# Altium PCB Minion_Rev2.PcbDoc (part 11 of 11)
Units mil, origin at the board's own origin, x right, y up, seen from the top; angles counter-clockwise.
Board outline 4724.41 x 6929.13 mil, 4 copper layers (L1, L2, L3, L4), stack 62.087 mil thick; 873 components, 147 nets, 5651 pads, 5666 vias.
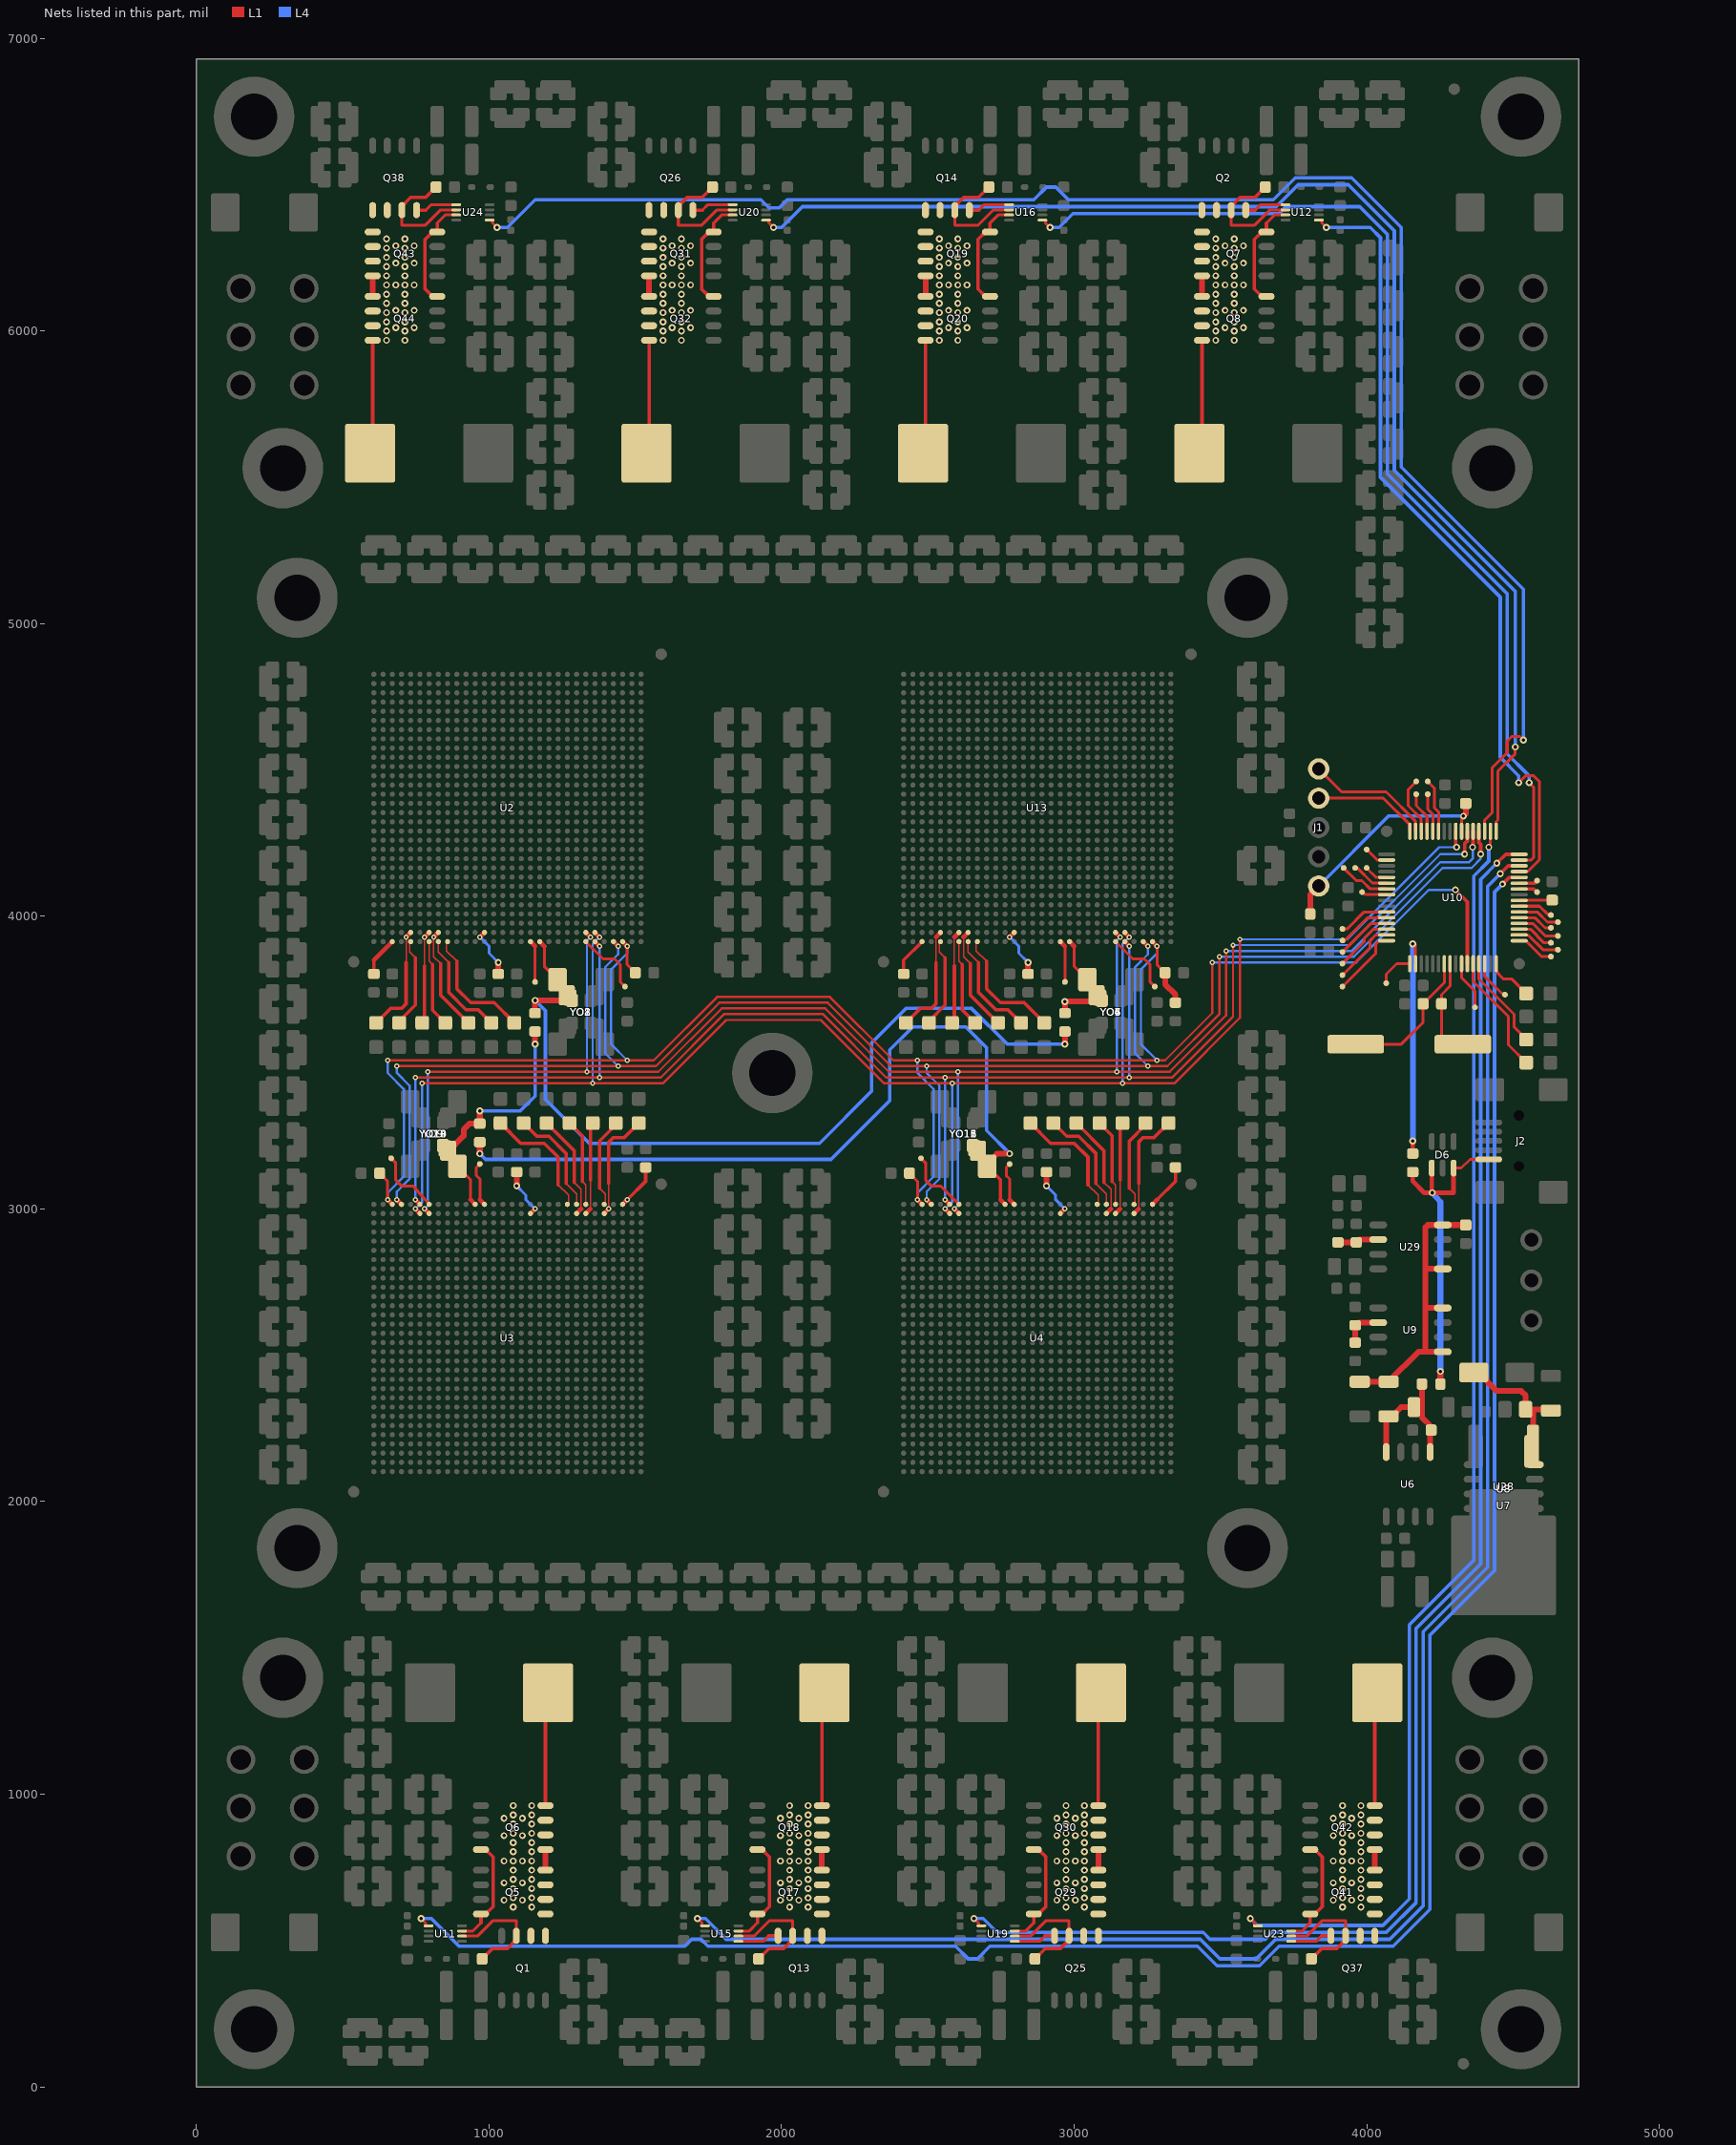
[diagram p13: the nets of this part, all layers, seen from the top]

## Via types
v1: diameter 17.72/17.72/17.72/17.72 (per signal layer), hole 7.87, L1 to L4, 3578 vias
v2: diameter 23.62/23.62/23.62/23.62 (per signal layer), hole 11.81, L1 to L4, 2088 vias

## Nets (pads, with @x,y where several pads share a name; then routed paths per layer and width w, separated by ;. In a path a pad name is that pad's centre, name@x,y a point inside that pad or via, vN(x,y) a via of type N, cw(c..) or ccw(c..) an arc to the next point about the centre after c; other vN are vias at no path point) (continued)
HO2: Q13.4 U15.1 | length 143.4
  L1 w9.84: U15.1@1852.36,497.05 1937.01,497.05 1955.71,515.75
  L1 w11.81: 1955.71,515.75 Q13.4@1988.01,515.75
HO3: Q25.4 U19.1 | length 143.4
  L1 w9.84: U19.1@2797.24,497.05 2881.89,497.05 2900.59,515.75
  L1 w11.81: 2900.59,515.75 Q25.4@2932.89,515.75
HO4: Q37.4 U23.1 | length 143.4
  L1 w9.84: U23.1@3742.13,497.05 3826.77,497.05 3845.47,515.75
  L1 w11.81: 3845.47,515.75 Q37.4@3877.77,515.75
HO5: Q2.4 U12.1 | length 143.4
  L1 w9.84: 3619.09,6413.39 3637.8,6432.09 U12.1@3722.44,6432.09
  L1 w11.81: Q2.4@3586.79,6413.39 3619.09,6413.39
HO6: Q14.4 U16.1 | length 143.4
  L1 w9.84: 2674.21,6413.39 2692.91,6432.09 U16.1@2777.56,6432.09
  L1 w11.81: Q14.4@2641.91,6413.39 2674.21,6413.39
HO7: Q26.4 U20.1 | length 143.4
  L1 w9.84: 1729.33,6413.39 1748.03,6432.09 U20.1@1832.68,6432.09
  L1 w11.81: Q26.4@1697.03,6413.39 1729.33,6413.39
HO8: Q38.4 U24.1 | length 143.4
  L1 w9.84: 784.45,6413.39 803.15,6432.09 U24.1@887.8,6432.09
  L1 w11.81: Q38.4@752.15,6413.39 784.45,6413.39
INT_OUT1: TP1.1 U13.AK24 | length 232.1
  L1 w9.84: U13.AK24@3141.73,3913.39 3200.79,3854.33 3240.16,3854.33 3259.84,3834.65 3259.84,3775.59 TP1.1@3275.59,3759.84
INT_OUT2: TP3.1 U2.AK24 | length 232.1
  L1 w9.84: U2.AK24@1330.71,3913.39 1389.76,3854.33 1429.13,3854.33 1448.82,3834.65 1448.82,3775.59 TP3.1@1464.57,3759.84
INT_OUT3: TP4.1 U3.AK24 | length 232.2
  L1 w9.84: TP4.1@665.35,3173.23 681.1,3157.48 681.1,3098.43 700.79,3078.74 740.16,3078.74 U3.AK24@795.28,3015.75
INT_OUT4: TP8.1 U4.AK24 | length 229.7
  L1 w9.84: TP8.1@2476.38,3173.23 2492.13,3157.48 2492.13,3098.43 2511.81,3078.74 2543.31,3078.74 U4.AK24@2606.3,3015.75
LDO3.3V-5.0V: C1.1 R14.1 R15.1 U9.5 U9.8 U29.5 U29.8 | length 1010.6
  L1 w19.68: R14.1@3976.38,2409.45 R15.1@4074.8,2409.45 4176.99,2511.63 4200.79,2511.63 ; U9.5@4259.84,2511.63 4200.79,2511.63 ; U9.8@4259.84,2661.61 4200.79,2661.61 ; U29.5@4259.84,2795.1 4200.79,2795.1 ; C1.1@4338.58,2944.88 4338.39,2945.08 U29.8@4259.84,2945.08 4208.66,2945.08 4200.79,2937.2 4200.79,2795.1 ; 4200.79,2511.63 4200.79,2661.61 ; 4200.79,2661.61 4200.79,2795.1
LDO5.0V: C15.1 R15.2 R33.1 R34.2 U6.5 U6.8 | length 504.2
  L1 w19.68: U6.8@4066.73,2169.29 4066.73,2291.34 R15.2@4074.8,2291.34 4086.61,2291.34 4118.11,2322.83 R34.2@4161.42,2322.83 4188.98,2322.83 ; R33.1@4188.98,2401.57 4188.98,2322.83 ; U6.5@4216.72,2169.29 4216.72,2240.34 C15.1@4220.47,2244.09 4220.47,2255.91 4188.98,2287.4 4188.98,2322.83
LED_BUSY1: D12.2 U13.AK8 | length 376.8
  L1 w4.33: U13.AK8@2637.8,3913.39 2637.8,3877.95 2673.23,3842.52
  L1 w11.81: 2673.23,3842.52 2673.23,3740.16 2732.28,3681.1 2773.62,3681.1 D12.2@2818.9,3635.83
LED_BUSY2: D21.2 U2.AK8 | length 376.8
  L1 w4.33: U2.AK8@826.77,3913.39 826.77,3877.95 862.2,3842.52
  L1 w11.81: 862.2,3842.52 862.2,3740.16 921.26,3681.1 962.6,3681.1 D21.2@1007.87,3635.83
LED_BUSY3: D34.2 U3.AK8 | length 376.8
  L1 w4.33: 1263.78,3086.61 1299.21,3051.18 U3.AK8@1299.21,3015.75
  L1 w9.84: D34.2@1118.11,3293.31 D34.2@1119.09,3292.32
  L1 w11.81: D34.2@1119.09,3292.32 1163.39,3248.03 1204.72,3248.03 1263.78,3188.98 1263.78,3086.61
LED_BUSY4: D41.2 U4.AK8 | length 376.8
  L1 w4.33: 3074.8,3086.61 3110.24,3051.18 U4.AK8@3110.24,3015.75
  L1 w9.84: D41.2@2929.13,3293.31 D41.2@2930.12,3292.32
  L1 w11.81: D41.2@2930.12,3292.32 2974.41,3248.03 3015.75,3248.03 3074.8,3188.98 3074.8,3086.61
LED_CLK1: D16.2 U13.AK5 | length 312.5
  L1 w4.33: U13.AK5@2543.31,3913.39 2539.37,3913.39 2539.37,3877.95 2559.06,3858.27
  L1 w11.81: D16.2@2503.94,3635.83 2503.94,3641.73 2559.06,3696.85 2559.06,3858.27
LED_CLK2: D29.2 U2.AK5 | length 312.5
  L1 w4.33: U2.AK5@732.28,3913.39 728.35,3913.39 728.35,3877.95 748.03,3858.27
  L1 w11.81: D29.2@692.91,3635.83 692.91,3641.73 748.03,3696.85 748.03,3858.27
LED_CLK3: D38.2 U3.AK5 | length 312.5
  L1 w4.33: 1377.95,3070.87 1397.64,3051.18 1397.64,3015.75 U3.AK5@1393.7,3015.75
  L1 w11.81: 1377.95,3070.87 1377.95,3232.28 1433.07,3287.4 D38.2@1433.07,3293.31
LED_CLK4: D45.2 U4.AK5 | length 312.5
  L1 w4.33: 3188.98,3070.87 3208.66,3051.18 3208.66,3015.75 U4.AK5@3204.72,3015.75
  L1 w11.81: 3188.98,3070.87 3188.98,3232.28 3244.09,3287.4 D45.2@3244.09,3293.31
LED_HOT1: D9.2 U13.AJ7 | length 320
  L1 w4.33: 2590.55,3830.71 2590.55,3929.13
  L1 w11.81: D9.2@2582.68,3635.83 2588.58,3641.73 2590.55,3641.73 2590.55,3830.71
  L1 w15.75: 2590.55,3929.13 U13.AJ7@2606.3,3944.88
LED_HOT2: D27.2 U2.AJ7 | length 320
  L1 w4.33: 779.53,3830.71 v1(779.53,3929.13)
  L1 w11.81: D27.2@771.65,3635.83 777.56,3641.73 779.53,3641.73 779.53,3830.71
  L1 w15.75: v1(779.53,3929.13) U2.AJ7@795.28,3944.88
LED_HOT3: D37.2 U3.AJ7 | length 318.3
  L1 w4.33: 1346.46,3000 1346.46,3098.43
  L1 w11.81: 1346.46,3098.43 1346.46,3283.46 D37.2@1354.33,3293.31
  L1 w15.75: U3.AJ7@1330.71,2984.25 1346.46,3000
LED_HOT4: D44.2 U4.AJ7 | length 318.3
  L1 w4.33: 3157.48,3000 3157.48,3098.43
  L1 w11.81: 3157.48,3098.43 3157.48,3283.46 D44.2@3165.35,3293.31
  L1 w15.75: U4.AJ7@3141.73,2984.25 3157.48,3000
LED_IDLE1: D5.2 U13.AJ8 | length 364.5
  L1 w4.33: 2622.05,3929.13 2622.05,3862.2 2645.67,3838.58
  L1 w11.81: 2645.67,3838.58 2645.67,3730.32 D5.2@2740.16,3635.83
  L1 w15.75: 2622.05,3929.13 U13.AJ8@2637.8,3944.88
LED_IDLE2: D20.2 U2.AJ8 | length 364.5
  L1 w4.33: v1(811.02,3929.13) 811.02,3862.2 834.65,3838.58
  L1 w11.81: 834.65,3838.58 834.65,3730.32 D20.2@929.13,3635.83
  L1 w15.75: v1(811.02,3929.13) U2.AJ8@826.77,3944.88
LED_IDLE3: D33.2 U3.AJ8 | length 364.5
  L1 w4.33: 1291.34,3090.55 1314.96,3066.93 1314.96,3000
  L1 w9.84: D33.2@1196.85,3293.31 D33.2@1197.83,3292.32
  L1 w11.81: D33.2@1197.83,3292.32 1291.34,3198.82 1291.34,3090.55
  L1 w15.75: U3.AJ8@1299.21,2984.25 1314.96,3000
LED_IDLE4: D40.2 U4.AJ8 | length 364.5
  L1 w4.33: 3102.36,3090.55 3125.98,3066.93 3125.98,3000
  L1 w9.84: D40.2@3007.87,3293.31 D40.2@3008.86,3292.32
  L1 w11.81: D40.2@3008.86,3292.32 3102.36,3198.82 3102.36,3090.55
  L1 w15.75: U4.AJ8@3110.24,2984.25 3125.98,3000
LED_NONCE1: D17.2 U13.AK7 | length 300.4
  L1 w4.33: U13.AK7@2606.3,3913.39 2606.3,3846.46 2618.11,3834.65
  L1 w11.81: 2618.11,3834.65 2618.11,3679.13 D17.2@2661.42,3635.83
LED_NONCE2: D31.2 U2.AK7 | length 300.4
  L1 w4.33: U2.AK7@795.28,3913.39 795.28,3846.46 807.09,3834.65
  L1 w11.81: 807.09,3834.65 807.09,3679.13 D31.2@850.39,3635.83
LED_NONCE3: D39.2 U3.AK7 | length 300.4
  L1 w4.33: 1318.9,3094.49 1330.71,3082.68 U3.AK7@1330.71,3015.75
  L1 w11.81: D39.2@1275.59,3293.31 1318.9,3250 1318.9,3094.49
LED_NONCE4: D46.2 U4.AK7 | length 300.4
  L1 w4.33: 3129.92,3094.49 3141.73,3082.68 U4.AK7@3141.73,3015.75
  L1 w11.81: D46.2@3086.61,3293.31 3129.92,3250 3129.92,3094.49
LED_POWER1: D13.2 U13.AK9 | length 422.7
  L1 w4.33: U13.AK9@2669.29,3913.39 2665.35,3909.45 2665.35,3881.89 2700.79,3846.46
  L1 w11.81: 2700.79,3846.46 2700.79,3751.97 2748.03,3704.72 2828.74,3704.72 D13.2@2897.64,3635.83
LED_POWER2: D25.2 U2.AK9 | length 422.7
  L1 w4.33: U2.AK9@858.27,3913.39 854.33,3909.45 854.33,3881.89 889.76,3846.46
  L1 w11.81: 889.76,3846.46 889.76,3751.97 937.01,3704.72 1017.72,3704.72 D25.2@1086.61,3635.83
LED_POWER3: D36.2 U3.AK9 | length 425
  L1 w4.33: 1236.22,3082.68 1271.65,3047.24 1271.65,3015.75 U3.AK9@1267.72,3015.75
  L1 w11.81: D36.2@1039.37,3293.31 1108.27,3224.41 1188.98,3224.41 1236.22,3177.17 1236.22,3082.68
LED_POWER4: D43.2 U4.AK9 | length 422.7
  L1 w4.33: 3047.24,3082.68 3082.68,3047.24 3082.68,3019.69 U4.AK9@3078.74,3015.75
  L1 w11.81: D43.2@2850.39,3293.31 2919.29,3224.41 3000,3224.41 3047.24,3177.17 3047.24,3082.68
LED_SPI1: D7.2 U13.AJ5 | length 379.9
  L1 w4.33: 2527.56,3842.52 2527.56,3929.13
  L1 w11.81: D7.2@2425.2,3635.83 2474.41,3685.04 2511.81,3685.04 2527.56,3700.79 2527.56,3842.52
  L1 w15.75: 2527.56,3929.13 U13.AJ5@2543.31,3944.88
LED_SPI2: D24.2 U2.AJ5 | length 379.9
  L1 w4.33: 716.54,3842.52 v1(716.54,3929.13)
  L1 w11.81: D24.2@614.17,3635.83 663.39,3685.04 700.79,3685.04 716.54,3700.79 716.54,3842.52
  L1 w15.75: v1(716.54,3929.13) U2.AJ5@732.28,3944.88
LED_SPI3: D35.2 U3.AJ5 | length 379.9
  L1 w4.33: v1(1409.45,3000) 1409.45,3086.61
  L1 w11.81: 1409.45,3086.61 1409.45,3228.35 1425.2,3244.09 1462.6,3244.09 D35.2@1511.81,3293.31
  L1 w15.75: U3.AJ5@1393.7,2984.25 v1(1409.45,3000)
LED_SPI4: D42.2 U4.AJ5 | length 379.9
  L1 w4.33: 3220.47,3000 3220.47,3086.61
  L1 w11.81: 3220.47,3086.61 3220.47,3228.35 3236.22,3244.09 3273.62,3244.09 D42.2@3322.83,3293.31
  L1 w15.75: U4.AJ5@3204.72,2984.25 3220.47,3000
LM12V: C592.1 D8.1 R13.1 U7.1 U8.1 U28.8 | length 564.2
  L1 w9.84: U8.1@4558.66,2171.26 4568.5,2171.26 U7.1@4568.5,2188.98 4574.8,2182.68 U28.8@4574.8,2126.18
  L1 w19.68: D8.1@4366.14,2440.94 4381.89,2440.94 4444.88,2377.95 4527.56,2377.95 4543.31,2362.2 C592.1@4543.31,2314.96 4568.5,2314.96 ; U7.1@4568.5,2188.98 4568.5,2314.96 ; R13.1@4629.92,2311.02 4625.98,2314.96 4568.5,2314.96
LO1: Q5.4 Q6.4 U11.3 | length 379.9
  L1 w9.84: U11.3@907.48,532.48 944.88,532.48 972.44,560.04
  L1 w11.81: 972.44,560.04 Q5.4@972.44,590.37 988.19,590.37 1013.78,615.96 1013.78,785.25 988.19,810.84 Q6.4@972.44,810.84
LO2: Q17.4 Q18.4 U15.3 | length 379.9
  L1 w9.84: U15.3@1852.36,532.48 1889.76,532.48 1917.32,560.04
  L1 w11.81: 1917.32,560.04 Q17.4@1917.32,590.37 1933.07,590.37 1958.66,615.96 1958.66,785.25 1933.07,810.84 Q18.4@1917.32,810.84
LO3: Q29.4 Q30.4 U19.3 | length 379.9
  L1 w9.84: U19.3@2797.24,532.48 2834.65,532.48 2862.2,560.04
  L1 w11.81: 2862.2,560.04 Q29.4@2862.2,590.37 2877.95,590.37 2903.54,615.96 2903.54,785.25 2877.95,810.84 Q30.4@2862.2,810.84
LO4: Q41.4 Q42.4 U23.3 | length 379.9
  L1 w9.84: U23.3@3742.13,532.48 3779.53,532.48 3807.09,560.04
  L1 w11.81: 3807.09,560.04 Q41.4@3807.09,590.37 3822.83,590.37 3848.43,615.96 3848.43,785.25 3822.83,810.84 Q42.4@3807.09,810.84
LO5: Q7.4 Q8.4 U12.3 | length 379.9
  L1 w9.84: 3657.48,6369.09 3685.04,6396.65 U12.3@3722.44,6396.65
  L1 w11.81: Q8.4@3657.48,6118.29 3641.73,6118.29 3616.14,6143.88 3616.14,6313.17 3641.73,6338.76 Q7.4@3657.48,6338.76 3657.48,6369.09
LO6: Q19.4 Q20.4 U16.3 | length 379.9
  L1 w9.84: 2712.6,6369.09 2740.16,6396.65 U16.3@2777.56,6396.65
  L1 w11.81: Q20.4@2712.6,6118.29 2696.85,6118.29 2671.26,6143.88 2671.26,6313.17 2696.85,6338.76 Q19.4@2712.6,6338.76 2712.6,6369.09
LO7: Q31.4 Q32.4 U20.3 | length 379.9
  L1 w9.84: 1767.72,6369.09 1795.28,6396.65 U20.3@1832.68,6396.65
  L1 w11.81: Q32.4@1767.72,6118.29 1751.97,6118.29 1726.38,6143.88 1726.38,6313.17 1751.97,6338.76 Q31.4@1767.72,6338.76 1767.72,6369.09
LO8: Q43.4 Q44.4 U24.3 | length 379.9
  L1 w9.84: 822.83,6369.09 850.39,6396.65 U24.3@887.8,6396.65
  L1 w11.81: Q44.4@822.83,6118.29 807.09,6118.29 781.5,6143.88 781.5,6313.17 807.09,6338.76 Q43.4@822.83,6338.76 822.83,6369.09
"MAIN OSC IN": C10.1 U10.39 Y1.1 | length 491.3
  L1 w9.84: Y1.1@3962.6,3562.99 4118.11,3562.99 4192.91,3637.8 C10.1@4192.91,3700.79 4265.32,3773.2 U10.39@4265.32,3837.79
"MAIN OSC OUT": C11.1 U10.40 Y1.2 | length 359.7
  L1 w9.84: U10.40@4285.01,3837.79 4285.01,3761.39 4255.91,3732.28 C11.1@4255.91,3700.79 4255.91,3562.99 Y1.2@4328.74,3562.99
MCLR: C5.1 J1.1 R31.1 U10.7 | length 802.5
  L1 w9.84: U10.7@4324.38,4290.55 4324.38,4336.19 v2(4330.71,4342.52)
  L1 w19.68: R31.1@3807.09,4007.87 3807.09,4074.54 J1.1@3836.07,4103.53 ; v2(4330.71,4342.52) 4338.58,4350.39 C5.1@4338.58,4385.83
  L4 w11.81: J1.1@3836.07,4103.53 4075.07,4342.52 v2(4330.71,4342.52)
MCU5.0V: R32.2 U10.34 | length 793.7
  L1 w9.84: v2(4157.48,3905.51) 4166.9,3905.51 U10.34@4166.9,3837.79
  L1 w15.75: R32.2@4157.48,3188.98 v2(4157.48,3232.28)
  L4 w19.68: v2(4157.48,3232.28) v2(4157.48,3905.51)
NetR16_2: R16.2 R17.1 U9.2 | length 141.6
  L1 w19.68: R17.1@3960.63,2543.31 R16.2@3960.63,2602.36 3969.88,2611.61 U9.2@4039.37,2611.61
NetR27_2: R27.2 R28.1 U29.2 | length 141.6
  L1 w19.68: R28.1@3901.57,2885.83 R27.2@3964.57,2885.83 3973.82,2895.08 U29.2@4039.37,2895.08
NetTP2_1: TP2.1 U10.27 | length 175.3
  L1 w9.84: TP2.1@3917.32,3956.69 3933.07,3956.69 3991.33,4014.96 U10.27@4068.47,4014.96
NetTP5_1: TP5.1 U10.12 | length 133.9
  L1 w9.84: TP5.1@4208.66,4417.32 4208.66,4366.14 4225.95,4348.85 U10.12@4225.95,4290.55
NetTP6_1: TP6.1 U10.13 | length 142.1
  L1 w9.84: TP6.1@4169.29,4417.32 4169.29,4377.95 4206.27,4340.97 U10.13@4206.27,4290.55
NetTP7_1: TP7.1 U10.14 | length 200.1
  L1 w9.84: TP7.1@4169.29,4460.63 4141.73,4433.07 4141.73,4377.95 4186.58,4333.1 U10.14@4186.58,4290.55
NetTP10_1: TP10.1 U10.21 | length 82.3
  L1 w9.84: TP10.1@4000,4165.35 4000,4164.56 4031.5,4133.07 U10.21@4068.47,4133.07
NetTP11_1: TP11.1 U10.22 | length 129.6
  L1 w9.84: TP11.1@3960.63,4165.35 3968.5,4165.35 4019.68,4113.38 U10.22@4068.47,4113.38
NetTP12_1: TP12.1 U10.58 | length 66
  L1 w11.81: U10.58@4521.23,4093.7 4571.66,4093.7 TP12.1@4582.68,4082.68
NetTP13_1: TP13.1 U10.42 | length 167.7
  L1 w9.84: U10.42@4324.38,3837.79 4324.38,3789.79 4370.08,3744.09 TP13.1@4370.08,3688.98
NetTP17_1: TP17.1 U10.51 | length 127.9
  L1 w9.84: U10.51@4521.23,3955.9 4559.85,3955.9 4606.3,3909.45 TP17.1@4629.92,3909.45
NetTP18_1: TP18.1 U10.55 | length 121.2
  L1 w9.84: U10.55@4521.23,4034.64 4590.55,4034.64 4622.05,4003.94 TP18.1@4629.92,4003.94
NetTP19_1: TP19.1 U10.54 | length 146.5
  L1 w9.84: U10.54@4523.62,4014.96 4583.11,4014.96 4618.3,3980.32 TP19.1@4653.54,3980.32
  L1 w11.81: U10.54@4521.23,4014.96 U10.54@4523.62,4014.96
NetTP20_1: TP20.1 U10.52 | length 149.9
  L1 w9.84: U10.52@4521.23,3975.59 4567.72,3975.59 4610.24,3933.07 TP20.1@4653.54,3933.07
NetTP21_1: TP21.1 U10.33 | length 125.7
  L1 w9.84: TP21.1@4066.93,3771.65 4066.93,3802.36 4102.36,3837.79 U10.33@4147.21,3837.79
NetTP22_1: TP22.1 U10.50 | length 153.2
  L1 w9.84: U10.50@4521.23,3936.22 4551.97,3936.22 4602.36,3885.83 TP22.1@4653.54,3885.83
NetTP23_1: TP23.1 U10.49 | length 131.2
  L1 w9.84: U10.49@4521.23,3916.53 4544.1,3916.53 4598.43,3862.2 TP23.1@4629.92,3862.2
NetTP24_1: TP24.1 U10.46 | length 137.9
  L1 w9.84: U10.46@4403.12,3837.79 4403.12,3795.28 4464.57,3733.83 4470.9,3733.83 TP24.1@4472.44,3732.28
NetTP25_1: TP25.1 U10.53 | length 123
  L1 w9.84: U10.53@4521.23,3995.27 4574.8,3995.27 4610.11,3960.51 4610.24,3960.63 TP25.1@4629.92,3960.63
NetTP26_1: TP26.1 U10.18 | length 83.5
  L1 w9.84: TP26.1@4000,4228.35 4036.22,4192.12 U10.18@4068.47,4192.12
NetTP123_1: TP123.1 U10.28 | length 184.1
  L1 w9.84: TP123.1@3917.32,3917.32 3918.11,3916.53 3924.41,3916.53 4003.15,3995.27 U10.28@4068.47,3995.27
NetTP124_1: TP124.1 U10.29 | length 191.6
  L1 w9.84: TP124.1@3917.32,3877.95 4014.96,3975.59 U10.29@4068.47,3975.59
NetTP125_1: TP125.1 U10.30 | length 206.7
  L1 w9.84: TP125.1@3917.32,3838.58 3992.13,3913.39 3992.13,3925.2 4022.83,3955.9 U10.30@4068.47,3955.9
NetTP126_1: TP126.1 U10.31 | length 221.7
  L1 w9.84: TP126.1@3917.32,3799.21 4011.81,3893.7 4011.81,3917.32 4030.7,3936.22 U10.31@4068.47,3936.22
NetTP127_1: TP127.1 U10.32 | length 234
  L1 w9.84: TP127.1@3917.32,3759.84 4031.5,3874.02 4031.5,3904.72 4043.31,3916.53 U10.32@4068.47,3916.53
NetTP128_1: TP128.1 U10.11 | length 185.4
  L1 w9.84: TP128.1@4208.66,4460.63 4232.28,4437.01 4232.28,4370.08 4245.64,4356.72 U10.11@4245.64,4290.55
NetTP129_1: TP129.1 U10.59 | length 65
  L1 w11.81: U10.59@4521.23,4113.38 4574.01,4113.38 TP129.1@4582.68,4122.05
NetTP131_1: TP131.1 U10.23 | length 176.9
  L1 w9.84: TP131.1@3921.26,4165.35 3964.57,4122.05 3983.46,4122.05 4011.81,4093.7 U10.23@4068.47,4093.7
NetTP132_1: TP132.1 U10.24 | length 87.6
  L1 w9.84: TP132.1@3984.25,4082.68 3988.19,4081.89 3996.06,4074.01 U10.24@4068.47,4074.01
ORANGE: D4.2 U10.45 | length 326.1
  L1 w9.84: U10.45@4383.43,3837.79 4383.43,3785.86 4503.94,3665.35 4503.94,3621.62 4545.28,3580.28 D4.2@4545.28,3578.74
PGC: J1.5 U10.15 | length 439.4
  L1 w9.84: J1.5@3836.07,4503.53 3914.4,4425.2 4066.93,4425.2 4166.9,4325.23 U10.15@4166.9,4290.55
PGD: J1.4 U10.16 | length 371.3
  L1 w9.84: J1.4@3836.07,4403.53 4057.1,4403.53 4147.21,4313.42 U10.16@4147.21,4290.55
POR_IOVSEL1: R19.2 U13.AJ13 | length 174.3
  L1 w15.75: v1(2779.53,3929.13) U13.AJ13@2795.28,3944.88
  L1 w19.68: R19.2@2842.52,3803.15 v2(2842.52,3842.52)
  L4 w9.84: v1(2779.53,3929.13) 2811.02,3897.64 2811.02,3874.02 v2(2842.52,3842.52)
POR_IOVSEL2: R37.2 U2.AJ13 | length 174.3
  L1 w15.75: v1(968.5,3929.13) U2.AJ13@984.25,3944.88
  L1 w19.68: R37.2@1031.5,3803.15 v2(1031.5,3842.52)
  L4 w9.84: v1(968.5,3929.13) 1000,3897.64 1000,3874.02 v2(1031.5,3842.52)
POR_IOVSEL3: R39.2 U3.AJ13 | length 174.3
  L1 w15.75: U3.AJ13@1141.73,2984.25 v1(1157.48,3000)
  L1 w19.68: v2(1094.49,3078.74) R39.2@1094.49,3125.98
  L4 w9.84: v2(1094.49,3078.74) 1125.98,3047.24 1125.98,3031.5 v1(1157.48,3000)
POR_IOVSEL4: R40.2 U4.AJ13 | length 174.3
  L1 w15.75: U4.AJ13@2952.76,2984.25 v1(2968.5,3000)
  L1 w19.68: v2(2905.51,3078.74) R40.2@2905.51,3125.98
  L4 w9.84: v2(2905.51,3078.74) 2937.01,3047.24 2937.01,3031.5 v1(2968.5,3000)
PWM1H: U10.61 U12.5 | length 2741.2
  L1 w9.84: U12.5@3836.61,6378.94 3846.46,6378.94 3846.46,6369.61 3860,6356.06 v2(3862.2,6354.33) ; v2(4519.68,4456.69) 4543.31,4480.32 4570.87,4480.32 4590.55,4460.63 4590.55,4192.91 4550.39,4152.75 U10.61@4521.23,4152.75
  L4 w11.81: v2(3862.2,6354.33) 4011.81,6354.33 4047.24,6318.9 4047.24,5500 4456.69,5090.55 4456.69,4543.31 4519.68,4480.32 v2(4519.68,4456.69)
PWM1L: U10.60 U11.5 | length 7365
  L1 w9.84: v2(767.72,574.8) 769.92,573.07 783.46,559.53 783.46,550.2 U11.5@793.31,550.2
  L1 w11.81: v2(4464.57,4110.24) 4487.4,4133.07 U10.60@4521.23,4133.07
  L4 w11.81: v2(767.72,574.8) 803.15,574.8 897.64,480.32 1669.29,480.32 1692.91,503.94 1724.41,503.94 1748.03,480.32 2594.49,480.32 2637.8,437.01 2669.29,437.01 2712.6,480.32 3421.26,480.32 3488.19,413.39 3633.86,413.39 3700.79,480.32 4090.55,480.32 4216.54,606.3 4216.54,1543.31 4437.01,1763.78 4437.01,4082.68 v2(4464.57,4110.24)
PWM2H: U10.63 U16.5 | length 3653.4
  L1 w9.84: U16.5@2891.73,6378.94 2901.57,6378.94 2901.57,6369.61 2915.12,6356.06 v2(2917.32,6354.33) ; U10.63@4521.23,4192.12 4562.2,4192.12 4570.87,4200.79 4570.87,4440.94 v2(4555.12,4456.69)
  L4 w11.81: v2(2917.32,6354.33) 2948.82,6354.33 2996.06,6401.57 3700.79,6401.57 3724.41,6425.2 3976.38,6425.2 4070.87,6330.71 4070.87,5511.81 4480.31,5102.36 4480.31,4555.12 4548.04,4487.4 4555.12,4480.32 v2(4555.12,4456.69)
PWM2L: U10.62 U15.5 | length 6366
  L1 w9.84: v2(1712.6,574.8) 1714.8,573.07 1728.35,559.53 1728.35,550.2 U15.5@1738.19,550.2
  L1 w11.81: v2(4456.69,4145.67) 4483.46,4172.44 U10.62@4521.23,4172.44
  L4 w11.81: v2(1712.6,574.8) 1740.16,574.8 1811.02,503.94 3431.1,503.94 3498.03,437.01 3622.05,437.01 3688.98,503.94 4078.74,503.94 4192.91,618.11 4192.91,1555.12 4413.39,1775.59 4413.39,4102.36 v2(4456.69,4145.67)
PWM3H: U10.1 U20.5 | length 4539
  L1 w9.84: U20.5@1946.85,6378.94 1956.69,6378.94 1956.69,6369.61 1970.24,6356.06 v2(1972.44,6354.33) ; U10.1@4442.49,4290.55 4442.49,4322.83 4448.82,4329.16 4448.82,4496.06 4507.87,4555.12 v2(4507.87,4578.74)